# KiCad board XIAO ePaper Display Board EE03_V1.0.kicad_pcb (continued)
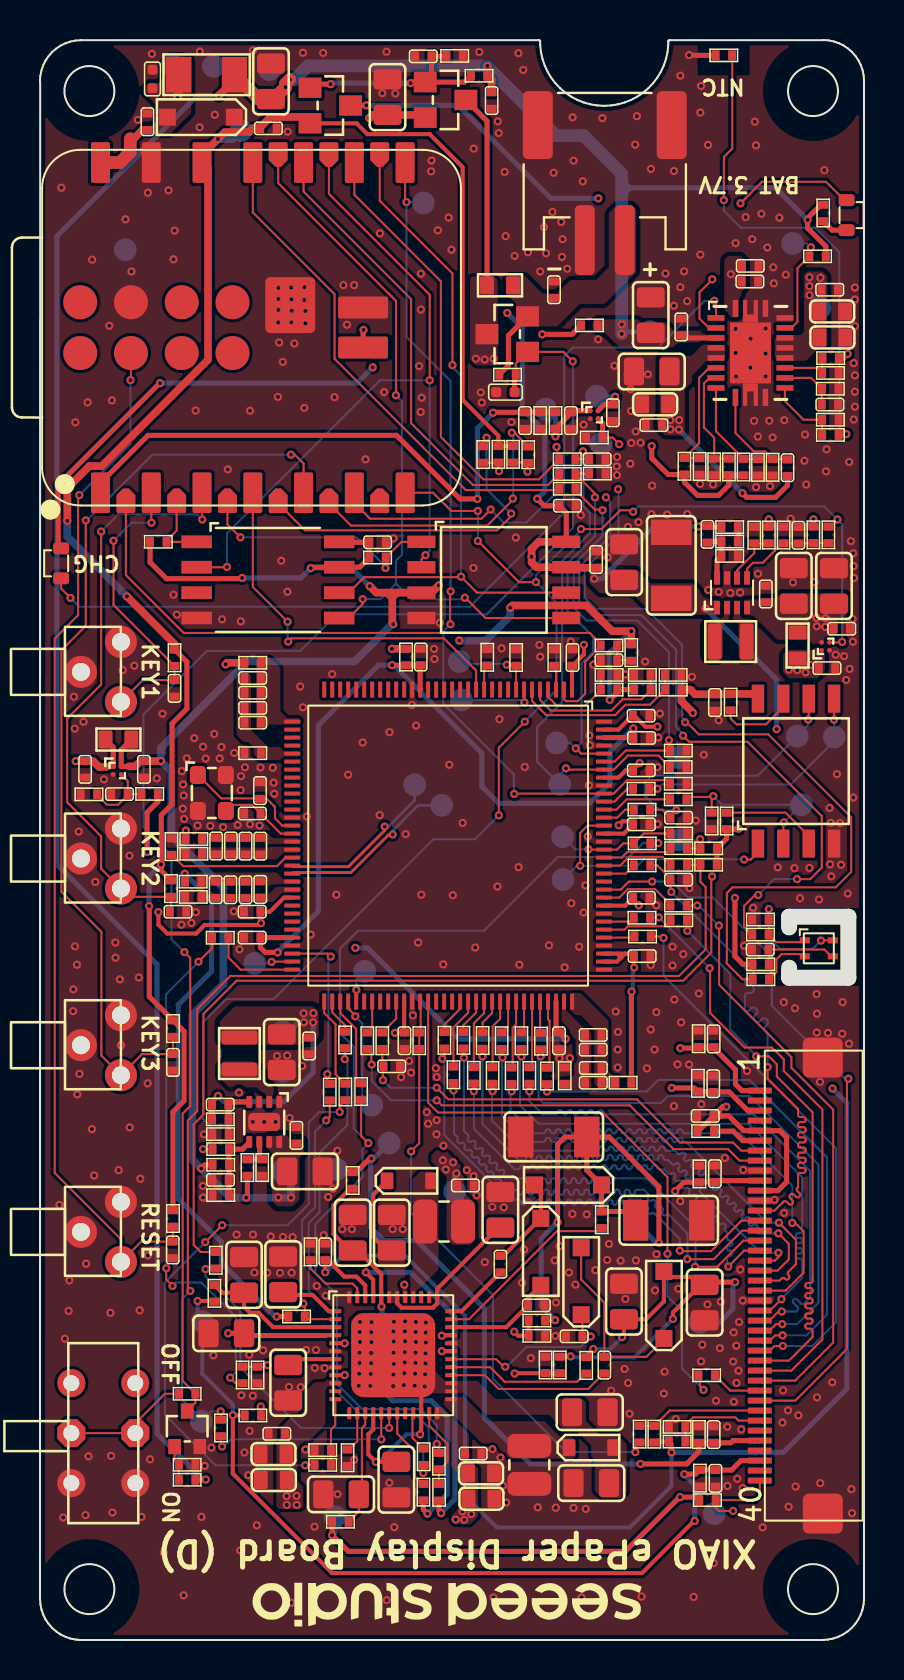
[diagram p0: board, top side]
## Library data of the parts (continued)
R8 = -: Description: SMD RES 22R-5%-1/16W;0402; Manufacturer: YAGEO; MPN: RC0402JR-0722RL; SKU: 301010002; Part Type: RES; Power Rating: 5%; Status: BeagleBone Carrier Board; Temperature: -55°C to 155°C; ki_fp_filters: Resistor:R0402
R11 R18 R19 R23 = -: Description: SMD RES 4.7K-5%-1/16W;0402; Manufacturer: YAGEO; MPN: RC0402JR-074K7L; SKU: 301010010; Part Type: RES; Power Rating: 5%; Status: BeagleBone Carrier Board; Temperature: -55°C to 155°C; ki_fp_filters: Resistor:R0402
R13 R14 R32 = -: Description: SMD RES 0R-5%-1/10W;0603; Manufacturer: YAGEO; MPN: RC0603JR-070RL; SKU: 301010292; Part Type: RES; Power Rating: 5%; Temperature: -55°C to 155°C; ki_fp_filters: Resistor:R0603
R15 R24 R25 R44 R50 R51 R53-R56 R63 R78 R80-R83 R136 R138 R141 = -: Description: SMD RES 100K-1%-1/16W;0402; Manufacturer: YAGEO; MPN: RC0402FR-07100KL; SKU: 301010456; Part Type: RES; Power Rating: 1%; Status: BeagleBone Carrier Board; Temperature: -55°C to 155°C; ki_fp_filters: Resistor:R0402
R16 R22 = -: Description: SMD RES 1K-5%-1/16W;0402; Manufacturer: YAGEO; MPN: RC0402JR-071KL; SKU: 301010006; Part Type: RES; Power Rating: 5%; Status: BeagleBone Carrier Board; Temperature: -55°C to 155°C; ki_fp_filters: Resistor:R0402
R20 = -: Description: SMD RES Thermistor NTC 10K-1%;0402; Manufacturer: Murata; SKU: 314110114; Resistance: 10K; Part Type: RES; Power Rating: 1%; Status: Frame 2 EVT; Temperature: -40°C to 125°C; ki_fp_filters: Resistor:R0402
R27 R34 R40 R43 R69 R137 R139 = -: Description: SMD RES 100K-5%-1/16W;0402; Manufacturer: YAGEO; MPN: RC0402JR-07100KL; SKU: 301010033; Part Type: RES; Power Rating: 5%; Status: BeagleBone Carrier Board; Temperature: -55°C to 155°C; ki_fp_filters: Resistor:R0402
R28-R31 R35-R39 R41 R71 R77 R100 R101 R106 R115 R124 R125 R127 R142-R149 R249 R255 = -: Description: SMD RES 10K-1%-1/16W;0402; Manufacturer: YAGEO; MPN: RC0402FR-0710KL; SKU: 301010047; Part Type: RES; Power Rating: 1%; Status: BeagleBone Carrier Board; Temperature: -55°C to 155°C; ki_fp_filters: Resistor:R0402
R33 = -: Description: SMD RES 80.6K-1%-1/10W;0402; Manufacturer: YAGEO; MPN: RC0402FR-0780K6L; SKU: 301010071; Part Type: RES; Power Rating: 1%; Status: ST; Temperature: -55°C to 155°C; ki_fp_filters: Resistor:R0402
R42 = -: Description: SMD RES 3.57K-1%-1/16W;0402; Manufacturer: YAGEO; MPN: RC0402FR-073K57L; SKU: 301013291; Part Type: RES; Power Rating: 1%; Status: BeagleBone AI TDA4VM; Temperature: -55°C to 155°C; ki_fp_filters: Resistor:R0402
R58 = -: Description: SMD RES 12K-1%-1/16W;0402; Manufacturer: YAGEO; MPN: RC0402FR-0712KL; SKU: 301010736; Part Type: RES; Power Rating: 1%; Status: BeagleBone Carrier Board; Temperature: -55°C to 155°C; ki_fp_filters: Resistor:R0402
R62 R117 R119 R129 = -: Description: SMD RES 1M-5%-1/16W;0402; Manufacturer: YAGEO; MPN: RC0402JR-071ML; SKU: 301010009; Part Type: RES; Power Rating: 5%; Status: reSpeaker; Temperature: -55°C to 155°C; ki_fp_filters: Resistor:R0402
R79 = -: Description: SMD RES 49.9R-1%-1/16W;0402; Manufacturer: YAGEO; MPN: RC0402FR-0749R9L; SKU: 301010041; Part Type: RES; Power Rating: 1%; Status: BeagleBone Carrier Board; Temperature: -55°C to 155°C; ki_fp_filters: Resistor:R0402
R84 = -: Description: SMD RES 36K-1%-1/16W;0402; Manufacturer: YAGEO; MPN: RC0402FR-0736KL; SKU: 301010053; Part Type: RES; Power Rating: 1%; Status: HA Proxy; Temperature: -55°C to 155°C; ki_fp_filters: Resistor:R0402
R112 = -: Description: SMD RES 43K-1%-1/16W;0402; Manufacturer: YAGEO; MPN: RC0402FR-0743KL; SKU: 301010023; Part Type: RES; Power Rating: 1%; Status: Geni; Temperature: -55°C to 155°C; ki_fp_filters: Resistor:R0402
R118 = -: Description: SMD RES 52.3K-1/16W-1%;0402; Manufacturer: YAGEO; MPN: RC0402FR-0752K3L; SKU: 301011070; Part Type: RES; Power Rating: 1%; Status: BeagleBone Carrier Board; Temperature: -55°C to 155°C; ki_fp_filters: Resistor:R0402
R120 = -: SKU: 301013074
R134 = -: Description: SMD RES 511K-1%-1/16W;0402; Manufacturer: YAGEO; MPN: RC0402FR-07511KL; SKU: 301011830; Part Type: RES; Power Rating: 1%; Status: Combox Pro; Temperature: -55°C to 155°C; ki_fp_filters: Resistor:R0402
R135 = -: Description: SMD RES 91K-1%-1/16W;0402; Manufacturer: YAGEO; MPN: RC0402FR-0791KL; SKU: 301012603; Part Type: RES; Power Rating: 1%; Status: AI-Link NB-IoT Dev Board; Temperature: -55°C to 155°C; ki_fp_filters: Resistor:R0402
R140 = -: Description: SMD RES 200K-1%-1/16W;0402; Manufacturer: YAGEO; MPN: RC0402FR-07200KL; SKU: 301010081; Part Type: RES; Power Rating: 1%; Status: Combox Pro; Temperature: -55°C to 155°C; ki_fp_filters: Resistor:R0402
SW1 = -: Description: DIP SideToggle Switch DPDT;6P-2.54-9.0*3.5*3.2mm-90D; Manufacturer: DeYiLong; SKU: 311030004; Part Type: Switch; ki_fp_filters: Switch:SW6-2CH-2.54-9X3.5X3.5
SW2-SW5 = -: Description: DIP Button Side;3P-4.5x4.5x5.5mm; Manufacturer: 百斯特; SKU: 311020863; Part Type: switch; Status: XIAO ePaper Monitor Kit; ki_fp_filters: Switch:SW3-DIP-SIDE-4.5X4.5X5.5MM
TP3 TP4 TP7 TP8 TP10-TP13 TP15-TP27 TP31 TP32 TP37-TP46 TP48 TP54-TP59 = -: Description: Test Point;TP45C_SMD; SKU: TP45C_SMD; ki_fp_filters: Misc:TP-D45MIL
U1 = -: Description: SMD IC Charger Power Path;1cell-Liner-Vsys-4A-Charge-3.5A; Manufacturer: 德州仪器（TI）; SKU: 310000051; Status: SMD; Temperature: -40~125°C; ki_fp_filters: Ic:RHL20_2P05X3P05
U3 = -: Description: PCBA; Seeed Studio XIAO ESP32S3 Plus; SKU: 202004052; ki_fp_filters: Module:MOUDLE23P-XIAO-HALF-HOLE
U5 U7 = -: Description: SMD IC Memory;32Mbit-3V;SOIC-8; Manufacturer: Zbit; SKU: 310091644; Part Type: Flash; Status: HA Voice Kit; Temperature: -40°C ~ +85°C; Priority: A; ki_fp_filters: Ic:SOIC8-1.27-5.3X5.3MM
U6 = -: Description: SMD IC Font library chip;SOP-8-208mil; Manufacturer: GENITOP; Part Type: IC; Status: XIAO ePaper Display Board EE03; Temperature: -40°C to 85°C; ki_fp_filters: Ic:SOP8-1.27-5.2X5.2x2.16MM
U8 = -: Description: SMD High Accuracy Temperature and Humidity Sensor IC;DFN-4; Manufacturer: SENSIRION; SKU: 314010719; Part Type: Sensor; Status: R2 E1001; Temperature: -40°C to 125°C; ki_fp_filters: Ic:SMD4-1.5X1.5X0.54MM
U10 = -: Description: SMD IC PMIC;VQFN-48-EP(6x6); Manufacturer: TI; SKU: 310000026; Part Type: IC; Status: XIAO ePaper Display Board EE03; Temperature: -10°C to 85°C; ki_fp_filters: Ic:VQFN48-0.4-6X6X1MM
U12 = -: Description: SMD IC EPD Timing Controller;LQFP 128(14*14); Manufacturer: ITE联阳半导体; SKU: 310000023; Part Type: IC; Status: XIAO ePaper Display Board EE03; Temperature: 0°C to 70°C; ki_fp_filters: Ic:LQFP128-0.4-14X14X1.6MM
U13 = -: Description: SMD IC PMIC BUCK/BOOST;2.1*1.6*0.6mm-SOT-583; Manufacturer: TI; SKU: 310032774; Temperature: -40°C to 150°C; ki_fp_filters: Ic:SOT-583
U14 = -: Description: SMD IC PMIC;DFN(2*2)-8; Manufacturer: ETA; SKU: 310030161; Part Type: DCDC; ki_fp_filters: Ic:DFN8G-0.5-2X2MM
U17-U19 = -: Description: SMD IC LOW RON LOAD SWITCH;5.5V-2A;4-DSBGA; Manufacturer: TI; SKU: 310031638; Part Type: IC; Status: Friend; Temperature: -40°C to 85°C; Priority: A; ki_fp_filters: Ic:WLCSP4-0.4-0.77X0.77X0.33MM
X2 = -: Description: SMD Crystal 12MHz-12pF-10ppm-150R;4P-L2.5*W2.0*H0.45mm; Manufacturer: TAITIEN; MPN: XYDBPCNANF-12MHZ; SKU: 306011189; Part Type: Crystal; Rating: 10ppm; Status: XIAO_RP2350; Temperature: -20°C to 70℃; ki_fp_filters: Crystal:X4-SMD-2.5X2.0MM

## Footprints (pads in the part's own frame, mm; a bottom-side part is the same pattern mirrored in y, then rotated)
C0402
  rrect 0.4x0.5 smd: 1(-0.413,0) 2(0.413,0)
C0603
  rrect 0.7x0.9 smd: 1(-0.65,0) 2(0.65,0)
C0603#2
  rrect 0.7x0.9 smd: 1(-0.65,0) 2(0.65,0)
C0805
  rrect 1.016x1.397 smd: 1(-0.889,0) 2(0.889,0)
C1206
  rect 1.27x2.032 smd: 1(-1.651,0) 2(1.651,0)
DFN8G-0.5-2X2MM
  rrect 0.3x0.6 smd: 1(-0.75,-1) 2(-0.25,-1) 3(0.25,-1) 4(0.75,-1) 5(0.75,1) 6(0.25,1) 7(-0.25,1) 8(-0.75,1)
  rrect 1.6x0.9 smd: 9(0,0)
ESD-0402
  rrect 0.5x0.5 smd: 1(-0.463,0) 2(0.463,0)
F1206
  rect 1.27x1.778 smd: 1(-1.397,0) 2(1.397,0)
FPC40_0D5_23_5X4_9X2MM
  rrect 0.3x1.2 smd: 1(9.75,0) 2(9.25,0) 3(8.75,0) 4(8.25,0) 5(7.75,0) 6(7.25,0) 7(6.75,0) 8(6.25,0) 9(5.75,0) 10(5.25,0) 11(4.75,0) 12(4.25,0) 13(3.75,0) 14(3.25,0) 15(2.75,0) 16(2.25,0) 17(1.75,0) 18(1.25,0) 19(0.75,0) 20(0.25,0) 21(-0.25,0) 22(-0.75,0) 23(-1.25,0) 24(-1.75,0) 25(-2.25,0) 26(-2.75,0) 27(-3.25,0) 28(-3.75,0) 29(-4.25,0) 30(-4.75,0) 31(-5.25,0) 32(-5.75,0) 33(-6.25,0) 34(-6.75,0) 35(-7.25,0) 36(-7.75,0) 37(-8.25,0) 38(-8.75,0) 39(-9.25,0) 40(-9.75,0)
  rrect 2x2 smd: 41(-11.4,-3.15) 42(11.4,-3.15)
JST2+2P_2.0_PH_S2B-PH-SM4-TB_1x02-1MP_Horizontal
  rrect 1x3.5 smd: 1(-1,2.85) 2(1,2.85)
  rrect 1.5x3.4 smd: 3(3.35,-2.9) 4(-3.35,-2.9)
L2016
  rrect 0.7x1.8 smd: 1(-0.8,0) 2(0.8,0)
L2520
  rrect 1.2x2.2 smd: 1(-0.95,0) 2(0.95,0)
LED2-0.6X1.7MM
  rrect 0.6x0.8 smd: 1(0.75,0) 2(-0.75,0)
LQFP128-0.4-14X14X1.6MM
  rrect 0.2x0.8 smd: 1(-6.2,-7.8) 2(-5.8,-7.8) 3(-5.4,-7.8) 4(-5,-7.8) 5(-4.6,-7.8) 6(-4.2,-7.8) 7(-3.8,-7.8) 8(-3.4,-7.8) 9(-3,-7.8) 10(-2.6,-7.8) 11(-2.2,-7.8) 12(-1.8,-7.8) 13(-1.4,-7.8) 14(-1,-7.8) 15(-0.6,-7.8) 16(-0.2,-7.8) 17(0.2,-7.8) 18(0.6,-7.8) 19(1,-7.8) 20(1.4,-7.8) 21(1.8,-7.8) 22(2.2,-7.8) 23(2.6,-7.8) 24(3,-7.8) 25(3.4,-7.8) 26(3.8,-7.8) 27(4.2,-7.8) 28(4.6,-7.8) 29(5,-7.8) 30(5.4,-7.8) 31(5.8,-7.8) 32(6.2,-7.8) 65(6.2,7.8) 66(5.8,7.8) 67(5.4,7.8) 68(5,7.8) 69(4.6,7.8) 70(4.2,7.8) 71(3.8,7.8) 72(3.4,7.8) 73(3,7.8) 74(2.6,7.8) 75(2.2,7.8) 76(1.8,7.8) 77(1.4,7.8) 78(1,7.8) 79(0.6,7.8) 80(0.2,7.8) 81(-0.2,7.8) 82(-0.6,7.8) 83(-1,7.8) 84(-1.4,7.8) 85(-1.8,7.8) 86(-2.2,7.8) 87(-2.6,7.8) 88(-3,7.8) 89(-3.4,7.8) 90(-3.8,7.8) 91(-4.2,7.8) 92(-4.6,7.8) 93(-5,7.8) 94(-5.4,7.8) 95(-5.8,7.8) 96(-6.2,7.8)
  rrect 0.8x0.2 smd: 33(7.8,-6.2) 34(7.8,-5.8) 35(7.8,-5.4) 36(7.8,-5) 37(7.8,-4.6) 38(7.8,-4.2) 39(7.8,-3.8) 40(7.8,-3.4) 41(7.8,-3) 42(7.8,-2.6) 43(7.8,-2.2) 44(7.8,-1.8) 45(7.8,-1.4) 46(7.8,-1) 47(7.8,-0.6) 48(7.8,-0.2) 49(7.8,0.2) 50(7.8,0.6) 51(7.8,1) 52(7.8,1.4) 53(7.8,1.8) 54(7.8,2.2) 55(7.8,2.6) 56(7.8,3) 57(7.8,3.4) 58(7.8,3.8) 59(7.8,4.2) 60(7.8,4.6) 61(7.8,5) 62(7.8,5.4) 63(7.8,5.8) 64(7.8,6.2) 97(-7.8,6.2) 98(-7.8,5.8) 99(-7.8,5.4) 100(-7.8,5) 101(-7.8,4.6) 102(-7.8,4.2) 103(-7.8,3.8) 104(-7.8,3.4) 105(-7.8,3) 106(-7.8,2.6) 107(-7.8,2.2) 108(-7.8,1.8) 109(-7.8,1.4) 110(-7.8,1) 111(-7.8,0.6) 112(-7.8,0.2) 113(-7.8,-0.2) 114(-7.8,-0.6) 115(-7.8,-1) 116(-7.8,-1.4) 117(-7.8,-1.8) 118(-7.8,-2.2) 119(-7.8,-2.6) 120(-7.8,-3) 121(-7.8,-3.4) 122(-7.8,-3.8) 123(-7.8,-4.2) 124(-7.8,-4.6) 125(-7.8,-5) 126(-7.8,-5.4) 127(-7.8,-5.8) 128(-7.8,-6.2)
R0402
  rrect 0.4x0.5 smd: 1(-0.413,0) 2(0.413,0)
R0603
  rrect 0.7x0.9 smd: 1(-0.65,0) 2(0.65,0)
RHL20_2P05X3P05
  rect 0.28x0.85 smd: 1(-0.75,2.225) 10(-0.75,-2.225) 11(0.75,-2.225) 20(0.75,2.225)
  rect 0.85x0.28 smd: 2(-1.725,1.75) 3(-1.725,1.25) 4(-1.725,0.75) 5(-1.725,0.25) 6(-1.725,-0.25) 7(-1.725,-0.75) 8(-1.725,-1.25) 9(-1.725,-1.75) 12(1.725,-1.75) 13(1.725,-1.25) 14(1.725,-0.75) 15(1.725,-0.25) 16(1.725,0.25) 17(1.725,0.75) 18(1.725,1.25) 19(1.725,1.75)
  rect 2.05x3.05 smd: 21(0,0)
SMD4-1.5X1.5X0.54MM
  rect 0.5x0.3 smd: 1(-0.7,0.4) 2(-0.7,-0.4) 3(0.7,-0.4) 4(0.7,0.4)
SOD-123
  rect 0.85x0.85 smd: 1(1.675,0) 2(-1.675,0)
SOD-323
  rrect 0.63x0.83 smd: 1(1.115,0) 2(-1.115,0)
SOIC8-1.27-5.3X5.3MM
  rect 0.62x1.4 smd: 1(-1.905,-3.623) 2(-0.635,-3.623) 3(0.635,-3.623) 4(1.905,-3.623) 5(1.905,3.623) 6(0.635,3.623) 7(-0.635,3.623) 8(-1.905,3.623)
SOP8-1.27-5.2X5.2x2.16MM
  rect 0.635x1.524 smd: 1(-1.905,-3.567) 2(-0.635,-3.567) 3(0.635,-3.567) 4(1.905,-3.567) 5(1.905,3.567) 6(0.635,3.567) 7(-0.635,3.567) 8(-1.905,3.567)
SOT23
  rect 1.143x1.016 smd: 1(1.016,-0.889) 2(1.016,0.889) 3(-1.016,0)
SOT-323
  rect 0.762x0.635 smd: 1(0.889,-0.635) 2(0.889,0.635) 3(-0.889,0)
SOT-583
  rect 0.3x0.67 smd: 1(-0.75,-0.74) 2(-0.25,-0.74) 3(0.25,-0.74) 4(0.75,-0.74) 5(0.75,0.74) 6(0.25,0.74) 7(-0.25,0.74) 8(-0.75,0.74)
SW3-DIP-SIDE-4.5X4.5X5.5MM
  round 1.6 hole 0.9: 1(-1.5,0) 2(1.5,0) 3(0,-2)
SW6-2CH-2.54-9X3.5X3.5
  round 1.4 hole 0.8: CH1A(-1.6,2.5) CH1B(-1.6,-2.5) CH2A(1.6,2.5) CH2B(1.6,-2.5)
  rrect 1.4x1.4 hole 0.8: COM1(-1.6,0) COM2(1.6,0)
TP-D45MIL
  rrect 1.143x1.143 smd: 1(0,0)
VQFN48-0.4-6X6X1MM
  rrect 0.6x0.2 smd: 1(-2.9,2.2) 2(-2.9,1.8) 3(-2.9,1.4) 4(-2.9,1) 5(-2.9,0.6) 6(-2.9,0.2) 7(-2.9,-0.2) 8(-2.9,-0.6) 9(-2.9,-1) 10(-2.9,-1.4) 11(-2.9,-1.8) 12(-2.9,-2.2) 25(2.9,-2.2) 26(2.9,-1.8) 27(2.9,-1.4) 28(2.9,-1) 29(2.9,-0.6) 30(2.9,-0.2) 31(2.9,0.2) 32(2.9,0.6) 33(2.9,1) 34(2.9,1.4) 35(2.9,1.8) 36(2.9,2.2)
  rrect 0.2x0.6 smd: 13(-2.2,-2.9) 14(-1.8,-2.9) 15(-1.4,-2.9) 16(-1,-2.9) 17(-0.6,-2.9) 18(-0.2,-2.9) 19(0.2,-2.9) 20(0.6,-2.9) 21(1,-2.9) 22(1.4,-2.9) 23(1.8,-2.9) 24(2.2,-2.9) 37(2.2,2.9) 38(1.8,2.9) 39(1.4,2.9) 40(1,2.9) 41(0.6,2.9) 42(0.2,2.9) 43(-0.2,2.9) 44(-0.6,2.9) 45(-1,2.9) 46(-1.4,2.9) 47(-1.8,2.9) 48(-2.2,2.9)
  rrect 4.2x4.2 smd: 49(0,0)
WLCSP4-0.4-0.77X0.77X0.33MM
  round 0.24 smd: A1(-0.2,0.2) A2(0.2,0.2) B1(-0.2,-0.2) B2(0.2,-0.2)
X4-SMD-2.5X2.0MM
  rrect 0.9x0.8 smd: 1(-0.9,-0.7) 2(0.9,-0.7) 3(0.9,0.7) 4(-0.9,0.7)
XIAO-ESP32-S3-Plus-SMD
  rrect 0.95x2.032 smd: 1(7.62,8.255) 2(5.08,8.255) 3(2.54,8.255) 4(0,8.255) 5(-2.54,8.255) 6(-5.08,8.255) 7(-7.62,8.255) 8(-7.62,-8.255) 9(-5.08,-8.255) 10(-2.54,-8.255) 11(0,-8.255) 12(2.54,-8.255) 13(5.08,-8.255) 14(7.62,-8.255)
  rrect 0.95x1.232 smd: 15(6.35,8.655) 16(3.81,8.655) 17(1.27,8.655) 18(-1.27,8.655) 19(-3.81,8.655) 20(-6.35,8.655) 21(-6.35,-8.655) 22(-3.81,-8.655) 23(-1.27,-8.655)
  round 1.7 smd: 24(8.636,1.27) 25(8.636,-1.27) 26(6.096,1.27) 27(6.096,-1.27) 28(3.556,1.27) 29(3.556,-1.27) 30(1.016,1.27) 31(1.016,-1.27)
  rrect 2.5x1.1 smd: 32(-5.518,0.994) 33(-5.518,-1.006)
  rrect 2.5x2.8 smd: 34(-1.875,-1.125)

## Nets
/E-ink/VDDH_FB: R119.2 R120.2 U10.33
/E-ink/VEE_FB: R117.2 R118.1 U10.31
GND: C1.1 C4.2 C5.1 C6.1 C7.1 C8.1 C9.2 C14.2 C18.2 C19.2 C23.2 C24.1 C25.2 C26.2 C27.1 C28.2 C29.2 C30.1 C31.1 C34.2 C35.2 C36.2 C37.2 C38.2 C39.2 C40.2 C41.2 C42.2 C43.1 C48.2 C49.2 C50.2 C52.2 C53.2 C54.2 C55.2 C56.2 C57.2 C58.2 C59.2 C61.2 C62.2 C63.2 C64.2 C69.2 C70.2 C71.2 C72.2 C73.2 C74.2 C75.2 C76.2 C77.2 C78.2 C81.1 C84.2 C85.2 C90.2 C91.2 C98.2 C100.1 C103.2 C104.2 C112.2 C113.2 C114.1 C115.2 C116.2 C117.2 C118.1 C119.2 C120.2 C121.2 C122.1 C123.2 C124.2 C125.2 C128.2 C129.2 C131.1 C132.2 C133.2 C134.2 C135.2 C136.2 C137.1 C138.1 C139.2 C140.1 C143.1 C144.2 C145.2 C146.1 C147.2 C149.1 C190.2 D7.2 D8.1 D9.1 J1.9 J1.12 J1.22 J1.41 J1.42 J3.2 J3.3 J3.4 L5.2 Q4.2 R1.1 R3.1 R4.1 R5.1 R15.1 R20.1 R26.1 R27.1 R29.1 R33.1 R34.1 R40.1 R42.1 R43.1 R44.1 R51.2 R54.2 R56.2 R58.1 R63.1 R71.2 R74.1 R76.1 R77.2 R78.1 R80.2 R81.2 R82.2 R83.2 R84.1 R98.1 R102.1 R111.1 R112.2 R115.2 R118.2 R120.1 R122.2 R124.1 R129.2 R135.2 R136.2 R138.1 R141.1 R142.1 R144.1 R147.1 R153.1 R255.2 SW1.CH1B SW1.CH2B SW2.1 SW2.3 SW3.1 SW3.3 SW4.1 SW4.3 SW5.1 SW5.3 TP4.1 TP8.1 TP13.1 TP16.1 TP17.1 TP41.1 U1.11 U1.19 U1.20 U1.21 U3.13 U3.27 U3.33 U3.34 U5.4 U6.4 U7.4 U10.6 U10.8 U10.32 U10.41 U10.48 U12.21 U12.45 U12.61 U12.76 U12.97 U12.100 U12.104 U12.113 U12.120 U12.125 U12.128 U13.7 U14.1 U14.3 U14.9 U17.B1 U18.B1 U19.B1 X2.2 X2.4
GND18A: C2.2 C3.2 C127.2 C130.1 R76.2 U12.95
GND33A_HSRT: C13.2 C15.2 C16.1 C142.2 R98.2 U12.49
GND33A_U20: C17.2 C20.2 C22.1 C148.2 R102.2 U12.54
GNDAT: C10.2 C11.2 C12.1 C126.2 R74.2 U12.37
VBAT: C35.1 C36.1 C37.1 C48.1 C67.1 Q3.3 Q5.3 R32.1 TP3.1 U1.5 U1.6 U17.A2
VCC3IO: C116.1 C121.1 C125.1 C129.1 R72.2 U12.20 U12.60 U12.94 U12.126
VCC18A: C2.1 C3.1 C127.1 C130.2 R75.2 U12.96
VCC33A: C10.1 C11.1 C12.2 C126.1 R73.2 U12.33
VCC33A_HSRT: C13.1 C15.1 C16.2 C142.1 R97.2 U12.48
VCC33A_U20: C17.1 C20.1 C22.2 C148.1 R99.2 U12.53
VCC_3V3: C26.1 C28.1 C29.1 C50.1 C63.1 C72.1 C75.1 C76.1 C105.1 Q7.3 R14.1 R25.2 R31.2 R39.2 R79.2 R137.2 R152.1 TP55.1 U5.3 U5.7 U5.8 U6.7 U6.8 U13.1 U14.7 U14.8 U19.A2
VCC_ITE_3V3: C70.1 C73.1 R14.2 R18.2 R19.2 R41.2 R50.1 R53.1 R55.1 R72.1 R73.1 R97.1 R99.1 R100.2 R101.2 R106.2 R125.2 U7.8 U10.45 U19.A1
/E-ink/BORDER: J1.40 R60.2 TP31.1
/E-ink/PWRGOOD: R41.1 R132.2 U10.23
/E-ink/PWRUP: R110.2 U10.21
/E-ink/S_XOE: J1.33 R126.2 R127.1
/E-ink/S_XSTL: J1.31 R59.2
/E-ink/TEST: J1.34 R121.2 R122.1
/E-ink/VB_OUT: C137.2 C143.2 D10.2 U10.37 U10.42 U10.43
/E-ink/VB_SW: D10.1 L3.1 U10.40
/E-ink/VCOM_CTRL: R108.2 R129.1 U10.12
/E-ink/VN_OUT: C133.1 C134.1 C138.2 C140.2 D2.1 U10.4 U10.16 U10.22 U10.26 U10.27 U10.49
/E-ink/VNEG_OUT: C123.1 R104.2 U10.3
/E-ink/VPOS_OUT: C147.1 R109.1 R116.1 U10.44
/E-ink/WAKEUP: R63.2 R105.2 U10.5
/TCON-IT8951/ALERT: R57.1 R124.2 TP48.1 U12.112
/TCON-IT8951/CFG0: R50.2 R51.1 U12.4
/TCON-IT8951/CFG1: R53.2 R54.1 U12.5
/TCON-IT8951/CFG2: R55.2 R56.1 U12.6
/TCON-IT8951/HOLD#: R101.1 U7.7
/TCON-IT8951/ITE_HOST_HD_C: R255.1 U12.12
/TCON-IT8951/ITE_RX: R77.1 TP54.1 U12.8
/TCON-IT8951/ITE_TX: TP56.1 U12.7
/TCON-IT8951/SDDO0_OUT: R87.1 U12.82
/TCON-IT8951/SDDO1_OUT: R86.1 U12.83
/TCON-IT8951/SDDO2_OUT: R85.1 U12.84
/TCON-IT8951/SDDO3_OUT: R68.1 U12.85
/TCON-IT8951/SDDO4_OUT: R67.1 U12.86
/TCON-IT8951/SDDO5_OUT: R66.1 U12.87
/TCON-IT8951/SDDO6_OUT: R65.1 U12.88
/TCON-IT8951/SDDO7_OUT: R64.1 U12.89
/TCON-IT8951/SDDO8_OUT: R61.1 U12.90
/TCON-IT8951/SDDO9_OUT: R52.1 U12.91
/TCON-IT8951/SDDO10_OUT: R49.1 U12.92
/TCON-IT8951/SDDO11_OUT: R48.1 U12.93
/TCON-IT8951/SDDO12_OUT: R90.1 U12.101
/TCON-IT8951/SDDO13_OUT: R89.1 U12.102
/TCON-IT8951/SDDO14_OUT: R88.1 U12.103
/TCON-IT8951/SDDO15_OUT: R114.1 U12.106
/TCON-IT8951/SPI_CS: TP37.1 U7.1 U12.115
/TCON-IT8951/SPI_SCK: C7.2 R95.2 TP40.1 U7.6
/TCON-IT8951/SPI_SI: R94.2 R115.1 TP38.1 U7.2
/TCON-IT8951/SPI_SO: R93.2 TP39.1 U7.5
/TCON-IT8951/TEST_EN: R71.1 U12.3
/TCON-IT8951/USB_N: TP19.1 U12.51
/TCON-IT8951/USB_P: TP25.1 U12.52
/TCON-IT8951/WP#: R100.1 U7.3
/TCON-IT8951/XSCI: C118.2 U12.46 X2.1
/TCON-IT8951/XSCO: C131.2 U12.47 X2.3
/XIAO/BUTON1: C54.1 R36.1 SW3.2 U3.2
/XIAO/BUTON2: C55.1 R37.1 SW4.2 U3.3
/XIAO/BUTON3: C56.1 R38.1 SW5.2 U3.5
/XIAO/IO41/I2C_SCL: R11.1 R17.1 R155.2
/XIAO/IO42/I2C_SDA: R12.1 R23.1 R154.2
/XIAO/PWR_SW: C41.1 Q5.1 Q7.1 R43.2 R145.1
/XIAO/RST: C53.1 R35.1 SW2.2 U3.26
/XIAO/SPI1_CLK: U3.21 U5.6 U6.6
/XIAO/SPI1_CS0: R39.1 U3.16 U6.1
/XIAO/SPI1_CS1: R31.1 U3.17 U5.1
/XIAO/SPI1_MISO: U3.22 U5.2 U6.2
/XIAO/SPI1_MOSI: U3.23 U5.5 U6.5
ADC_EN: R27.2 U3.6 U17.B2
BAT_ADC: C62.1 R28.1 R29.2 U3.1
EDP_BUSY: U3.4 U12.13
EDP_Drive: C18.1 C64.1 C81.2 C84.1 C100.2 C114.2 C117.1 C122.2 L3.2 R13.2 TP22.1 U10.10 U10.24 U18.A1
EDP_RES: R2.2 U3.15 U12.2
EPD_3V3: C19.1 C139.1 J1.5 J1.11 R121.1 R127.2 R249.2 U10.46
ESP_3V3: C59.1 Q7.2 R11.2 R23.2 R35.2 R36.2 R37.2 R38.2 TP10.1 U3.12
GDCLK: C6.2 J1.7 R91.2
GDSPV: J1.8 R92.2
ITE_I2C_SCL: R19.1 R46.2 R156.1 TP42.1
ITE_I2C_SDA: R18.1 R45.2 R157.1 TP43.1
PWR0_INT: R106.1 R131.1 U10.2
PWR2_WAKEUP: R105.1 R133.1
PWR3_PWRCOM: R96.2 R108.1
PWR4_PWRUP: R110.1 R123.2
PWR5_GOOD: R57.2 R132.1 R150.2
PWR_EN: R158.1 R159.2 U3.7 U18.B2
SDCE_N0: R59.1 U12.78
SDCLK: C5.2 J1.13 R47.2
SDDO0: J1.14 R87.2
SDDO1: J1.15 R86.2
SDDO2: J1.16 R85.2
SDDO3: J1.17 R68.2
SDDO4: J1.18 R67.2
SDDO5: J1.19 R66.2
SDDO6: J1.20 R65.2
SDDO7: J1.21 R64.2
SDDO8: J1.23 R61.2
SDDO9: J1.24 R52.2
SDDO10: J1.25 R49.2
SDDO11: J1.26 R48.2
SDDO12: J1.27 R90.2
SDDO13: J1.28 R89.2
SDDO14: J1.29 R88.2
SDDO15: J1.30 R114.2
SDLE: J1.32 U12.107
SDOE: R126.1 R128.1 R128.2 U12.77
SPI0_CLK: C8.2 R10.2 R81.1 TP44.1 U12.122
SPI0_CS: R80.1 TP45.1 U3.8 U12.119
SPI0_MISO: R9.2 R83.1 TP58.1 U12.124
SPI0_MOSI: R7.2 R82.1 TP59.1 U12.123
TYPEC_5V: C24.2 C42.1 C71.1 C74.1 F1.2 R16.1 R30.2 R139.2 R143.1 R145.2 R146.1 R148.2 R149.2 TP26.1 U1.4
VCOM_OUT: C98.1 J1.10 R44.2 R60.1 R103.1 TP32.1
VD_1V8: C34.1 C77.1 C108.1 C112.1 C113.1 C115.1 C120.1 C124.1 C128.1 C132.1 C190.1 L7.2 R70.2 R75.1 R140.2 TP46.1 U12.1 U12.55 U12.75 U12.98 U12.99 U12.105 U12.114 U12.121 U12.127
VDNG: C90.1 C146.2 C149.2 D1.1 J1.1 R5.2 R117.1 R130.1 TP23.1
VDNS_OUT: C103.1 J1.38 R3.2 R104.1 R107.1 TP20.1
VDPG: C14.1 C23.1 C91.1 D4.2 J1.3 R1.2 R113.2 R119.1 TP24.1
VDPS_OUT: C104.1 J1.36 R4.2 R116.2 TP21.1
VREF: C30.2 C31.2 R22.1 U1.1
VSYS: C4.1 C9.1 C25.1 C40.1 C52.1 C57.1 C61.1 R13.1 R24.2 R69.2 TP27.1 U1.15 U1.16 U1.17 U13.4 U18.A2
Net-(C1-Pad2): C1.2 R2.1 R125.1
Net-(C21-Pad2): C21.2 D1.2 D6.1
Net-(C141-Pad2): C141.2 D3.2 D4.1
Net-(D5-+): D5.1 R148.1
Net-(D5--): D5.2 U1.3
Net-(D16-+): D16.1 R149.1
Net-(D16--): D16.2 U1.2
Net-(J1-Pad6): J1.6 R249.1
Net-(Q3-G): D9.2 Q3.1 Q4.3 R8.2 R62.2
Net-(Q3-S): C39.1 J3.1 Q3.2 R32.2 R62.1
Net-(Q4-G): Q4.1 R16.2 R40.2
Net-(Q5-S): C69.1 Q5.2 U3.32
Net-(R8-Pad1): R8.1 SW1.COM1 SW1.COM2
Net-(R20-Pad2): R20.2 R21.1
Net-(R134-Pad2): R79.1 R134.2
Net-(TP7-T): C58.1 D7.1 D8.2 F1.1 TP7.1 U3.14
Net-(TP11-T): TP11.1 U12.69
Net-(TP12-T): TP12.1 U12.68
Net-(TP15-T): C49.1 R28.2 TP15.1 U17.A1
Net-(TP18-T): R30.1 TP18.1 U1.18
Net-(TP57-T): TP57.1 U12.63
Net-(U1A-CE): R146.2 R147.2 U1.9
Net-(U1A-DPPM): C78.1 R84.2 U1.13
Net-(U1A-ISET1): C67.2 R42.2 U1.10
Net-(U1A-ISET2): R139.1 R142.2 U1.7
Net-(U1A-MODE): R143.2 R144.2 U1.8
Net-(U1A-TMR): R22.2 R33.2 U1.14
Net-(U1A-TS): R21.2 R26.2 U1.12
Net-(U3-GPIO7_D8/A8/SCK): R10.1 U3.9
Net-(U3-GPIO8_D9/A9/MISO): R9.1 U3.10
Net-(U3-GPIO9_D10/A10/MOSI): R7.1 U3.11
Net-(U3-GPIO41_PDM_DATA/RX1): R17.2 U3.18
Net-(U3-GPIO42_PDM_CLK/TX1): R12.2 U3.19
Net-(U8-SCL): R155.1 U8.2
Net-(U8-SDA): R154.1 U8.1
Net-(U8-VDD): C85.1 R152.2 U8.3
Net-(U8-VSS): R153.2 U8.4
Net-(U10-INT_LDO): C136.1 U10.7
Net-(U10-SCL): R156.2 U10.17
Net-(U10-SDA): R157.2 U10.18
Net-(U10-TS): R112.1 U10.47
Net-(U10-VCOM): C119.1 R103.2 U10.15
Net-(U10-VCOM_DIS): R111.2 U10.14
Net-(U10-VDDH_D): C144.1 D3.1 U10.34
Net-(U10-VDDH_DIS): R113.1 U10.35
Net-(U10-VDDH_DRV): C141.1 U10.36
Net-(U10-VEE_D): C145.1 D6.2 U10.30
Net-(U10-VEE_DIS): R130.2 U10.29
Net-(U10-VEE_DRV): C21.1 U10.28
Net-(U10-VN_SW): D2.2 L5.1 U10.25
Net-(U10-VNEG_DIS): R107.2 U10.9
Net-(U10-VPOS_DIS): R109.2 U10.19
Net-(U10-VREF): C135.1 U10.1
Net-(U12-GDCLK): R91.1 U12.74
Net-(U12-GDSPV): R92.1 U12.71
Net-(U12-GPIO8/PWR0): R131.2 U12.62
Net-(U12-GPIO10/PWR2): R133.2 U12.64
Net-(U12-GPIO11/PWR3): R96.1 U12.65
Net-(U12-GPIO12/PWR4): R123.1 U12.66
Net-(U12-GPIO13/PWR5): R150.1 U12.67
Net-(U12-I2C_SCL): R46.1 U12.110
Net-(U12-I2C_SDA): R45.1 U12.111
Net-(U12-RREF): R58.2 U12.50
Net-(U12-SDCLK): R47.1 U12.109
Net-(U12-SPI_MISO): R93.1 U12.118
Net-(U12-SPI_MOSI): R94.1 U12.117
Net-(U12-SPI_SCK): R95.1 U12.116
Net-(U13-EN): C43.2 R15.2 R24.1 R158.2 U13.5
Net-(U13-FB): C105.2 R134.1 R135.1 U13.8
Net-(U13-LX1): L6.1 U13.3
Net-(U13-LX2): L6.2 U13.2
Net-(U13-MODE): R69.1 R78.2 U13.6
Net-(U14-EN): C27.2 R25.1 R136.1 R159.1 U14.5
Net-(U14-FB): C108.2 R140.1 R141.2 U14.4
Net-(U14-MODE): R137.1 R138.2 U14.6
Net-(U14-SW): L7.1 U14.2
Net-(U19-EN): C38.1 R34.2 R70.1 U19.B2

Pads without a net: J1 2 4 35 37 39; SW1 CH1A CH2A; U3 20 24 25 28 29 30 31; U6 3; U10 11 13 20 38 39; U12 9 10 11 14 15 16 17 18 19 22 23 24 25 26 27 28 29 30 31 32 34 35 36 38 39 40 41 42 43 44 56 57 58 59 70 72 73 79 80 81 108

## Via types
v1: diameter 0.406, hole 0.203, Top to Bottom, 873 vias

## Routing (per net, layer and track width the routed paths; a pad name or vN(x,y) marks a point on that pad's centre or on a via; arc(x,y) is an arc through that point)
/E-ink/VDDH_FB: length 5.8
  Top w0.203: v1(20.11,15.21) 20.13,15.24 U10.33 ; R120.2 R119.2 ; R120.2 24.42,15.24 ; R120.2 23.93,15.21 v1(23.73,15.41)
  In2.Cu w0.254: v1(23.73,15.41) 23.53,15.21 v1(20.11,15.21)
/E-ink/VEE_FB: length 7.2
  Top w0.203: R117.2 R118.1 23.76,13.34 v1(23.75,13.32) ; v1(20.11,14.44) 20.11,14.44 U10.31
  In2.Cu w0.254: v1(23.75,13.32) 23.75,13.99 23.3,14.44 v1(20.11,14.44)
GND: length 1.3
  Top w0.254: R20.1 32.49,79.23 v1(32.48,79.24)
  vias: v1(0.97,21.75) v1(1.07,72.61) v1(1.16,6.12) v1(1.25,15.06) v1(1.47,17.98) v1(1.43,16.45) v1(1.7,47.16) v1(1.67,32.53) v1(1.66,31.44) v1(1.77,60.88) v1(1.74,45.56) v1(1.75,34.68) v1(1.85,33.76) v1(1.87,27.28) v1(1.94,40.42) v1(1.98,28.3) v1(2.18,45.91) v1(2.28,6.24) v1(2.39,61.88) v1(2.31,18.81) v1(2.43,9.18) v1(2.6,25.54) v1(2.61,69.01) v1(2.71,23.22) v1(2.77,37.9) v1(3.2,43.03) v1(3.47,65.71) v1(3.6,61.98) v1(3.53,16.36) v1(3.56,9.2) v1(3.63,6.37) v1(3.77,34.87) v1(3.78,34.11) v1(4,33.03) v1(3.94,23.49) v1(4.05,29.74) v1(4.14,48.49) v1(4.28,71.03) v1(4.48,39.21) v1(4.49,25.63) v1(4.58,68.42) v1(4.72,48.71) v1(4.9,76) v1(4.95,33.12) v1(4.99,16.48) v1(5.02,23.06) v1(5.08,6.15) v1(5.4,72.36) v1(5.39,27.83) v1(5.4,19.23) v1(5.51,9.03) v1(5.6,79.3) v1(5.85,43.08) v1(6.13,46.31) v1(6.2,4.36) v1(6.43,72.48) v1(6.68,69.03) v1(6.68,52.26) v1(6.74,70.47) v1(6.85,51.26) v1(7.1,43.44) v1(7.08,35.76) v1(7.16,42.78) v1(7.19,42.22) v1(7.15,41.56) v1(7.21,41.05) v1(7.19,2.23) v1(7.35,44.08) v1(7.58,35.85) v1(7.79,61.47) v1(7.72,45.09) v1(7.8,36.39) v1(7.89,40.72) v1(8,79.42) v1(7.99,75.63) v1(8.08,6.15) v1(8.16,44.66) v1(8.21,25.28) v1(8.16,22.7) v1(8.16,22.12) v1(8.29,44.07) v1(8.24,8.7) v1(8.52,40.7) v1(8.58,9.61) v1(8.68,14.23) v1(8.75,76.26) v1(8.72,45.3) v1(8.99,44.08) v1(9.08,44.65) v1(9.11,51.03) v1(9.16,40.64) v1(9.4,58.53) v1(9.7,36.43) v1(9.72,44.35) v1(9.89,40.75) v1(9.84,20.27) v1(9.98,34.53) v1(9.96,27.37) v1(10.05,50.93) v1(10.06,43.19) v1(10.04,42.49) v1(10.08,12.23) v1(10.02,4.47) v1(10.26,43.63) v1(10.23,9.37) v1(10.51,61.46) v1(10.51,40.79) v1(10.47,14.26) v1(10.49,10.45) v1(10.42,8.24) v1(10.66,79.48) v1(10.65,25.9) v1(10.66,20.27) v1(10.65,12.21) v1(10.73,18.37) v1(10.85,5.73) v1(10.99,40.72) v1(11.03,43.62) v1(11.16,14.48) v1(11.22,25.9) v1(11.37,18.36) v1(11.55,20.17) v1(11.65,43.61) v1(11.69,42.86) v1(11.72,42.31) v1(11.79,25.9) v1(11.91,62.15) v1(11.86,29.2) v1(11.93,67.6) v1(11.93,67.05) v1(11.93,66.5) v1(11.92,65.88) v1(11.97,64.87) v1(12.01,18.35) v1(12.07,53.96) v1(12.15,63.9) v1(12.16,20.15) v1(12.4,75.41) v1(12.38,52.41) v1(12.37,29.22) v1(12.49,26.1) v1(12.46,12.65) v1(12.57,67.62) v1(12.59,67.03) v1(12.6,66.46) v1(12.58,65.88) v1(12.59,18.36) v1(12.57,1.86) v1(12.64,20.14) v1(12.73,64.82) v1(13.02,47.67) v1(13.04,12.64) v1(13.16,79.36) v1(13.16,46.63) v1(13.12,28.7) v1(13.23,67.64) v1(13.22,67) v1(13.28,66.45) v1(13.28,65.83) v1(13.23,61.6) v1(13.28,9.52) v1(13.36,41.17) v1(13.32,14.5) v1(13.55,35.27) v1(13.75,13.61) v1(13.74,5.66) v1(13.85,17.7) v1(13.81,14.5) v1(14.17,79.35) v1(14.2,20.24) v1(14.29,17.21) v1(14.24,13.59) v1(14.42,22.15) v1(14.62,48.29) v1(14.66,22.57) v1(14.74,62.14) v1(14.83,37.26) v1(14.88,24.46) v1(14.89,7.29) v1(15.18,67.74) v1(15.12,20.54) v1(15.36,65.76) v1(15.42,43.26) v1(15.61,20.54) v1(15.72,67.74) v1(15.72,9.01) v1(16.15,44.87) v1(16.29,59.03) v1(17.01,70.33) v1(17,41.24) v1(17.13,77.34) v1(17.22,62.39) v1(17.34,79.41) v1(17.35,1.99) v1(17.49,45.39) v1(17.48,7.86) v1(17.69,55.08) v1(17.65,20.54) v1(17.78,77.32) v1(17.73,5.64) v1(18.07,28.14) v1(18.15,20.54) v1(18.3,40.29) v1(18.23,17.76) v1(18.47,28.95) v1(18.57,28.37) v1(18.61,46.75) v1(18.66,31.23) v1(18.82,45.72) v1(18.97,63.69) v1(18.92,34.87) v1(19.06,68.31) v1(19.06,66.52) v1(19.1,62.11) v1(19.05,61.4) v1(19.08,37.26) v1(19.36,26.39) v1(19.42,25.81) v1(19.59,73.97) v1(19.57,73.43) v1(19.72,49.55) v1(19.74,49.05) v1(19.91,70.48) v1(19.81,28.59) v1(19.85,28.15) v1(19.85,25.99) v1(19.84,25.28) v1(20.01,50.86) v1(20.18,33.78) v1(20.19,24.71) v1(20.45,71.12) v1(20.48,43.76) v1(20.59,69.51) v1(20.66,37.24) v1(21.15,40.85) v1(21.36,23.49) v1(21.7,74.57) v1(21.69,53.6) v1(21.7,23.19) v1(21.78,34.62) v1(21.85,22.23) v1(21.98,79.4) v1(22.06,62.38) v1(22.11,61.87) v1(22.26,18.89) v1(22.63,21.65) v1(22.64,9.54) v1(22.69,2.13) v1(22.91,75.93) v1(22.89,37.67) v1(22.95,75.35) v1(22.99,46.04) v1(23.1,49.58) v1(23.04,9.12) v1(23.21,21.63) v1(23.16,7.71) v1(23.25,73.4) v1(23.3,70.19) v1(23.33,6.87) v1(23.6,60.9) v1(23.75,69.2) v1(23.81,55.12) v1(23.94,79.34) v1(23.95,38.64) v1(23.99,33.76) v1(24.18,78.5) v1(24.12,17.86) v1(24.26,43.65) v1(24.22,19.52) v1(24.42,69.38) v1(24.56,14.09) v1(24.91,6.63) v1(24.99,49.75) v1(25.03,68.42) v1(25.03,49.16) v1(25.22,70.64) v1(25.32,69.33) v1(25.47,34.73) v1(25.7,73.36) v1(25.64,71.4) v1(25.76,18.98) v1(25.79,15.2) v1(25.82,16.87) v1(25.81,6.61) v1(25.99,29.08) v1(26,19.69) v1(26.08,70.9) v1(26.15,70.04) v1(26.12,69.15) v1(26.25,33.63) v1(26.38,68.56) v1(26.47,18.37) v1(26.56,49.92) v1(26.59,36.84) v1(26.52,29.09) v1(26.65,76.13) v1(26.7,73.96) v1(26.64,21.3) v1(26.7,6.6) v1(26.79,17.77) v1(26.98,34.66) v1(27.06,56.24) v1(27.1,2.12) v1(27.16,72.93) v1(27.2,60.76) v1(27.2,36.37) v1(27.29,37.73) v1(27.36,21.28) v1(27.31,6.55) v1(27.49,45.22) v1(27.51,44.74) v1(27.47,42.73) v1(27.41,40.17) v1(27.69,48.76) v1(27.79,18.49) v1(27.93,65.03) v1(28.14,76.09) v1(28.38,19) v1(28.41,54.13) v1(28.47,19.8) v1(28.58,12.46) v1(28.74,63.71) v1(28.88,59.15) v1(28.86,58.68) v1(28.87,58.24) v1(28.81,31.42) v1(28.91,29.52) v1(28.91,28.62) v1(28.92,30.4) v1(29.05,18.97) v1(29.29,48.27) v1(29.29,17.05) v1(29.25,13.55) v1(29.42,55.65) v1(29.43,12.85) v1(29.5,11.31) v1(29.55,62.53) v1(29.58,61.45) v1(29.59,59.85) v1(29.54,58.81) v1(29.78,74.76) v1(29.87,76.19) v1(29.81,60.42) v1(29.82,18.98) v1(29.95,55.89) v1(30.05,59.86) v1(30.1,2.17) v1(30.28,48.92) v1(30.37,28.58) v1(30.42,63.28) v1(30.57,73.55) v1(30.6,56.29) v1(30.56,33.74) v1(30.56,30.52) v1(30.63,57.71) v1(30.75,29.52) v1(30.78,17.48) v1(30.89,43.64) v1(30.91,40.79) v1(30.84,36.73) v1(30.84,31.39) v1(30.85,19.29) v1(30.94,45.12) v1(31.02,46.32) v1(31.3,68.32) v1(31.25,13.41) v1(31.22,12.32) v1(31.38,56.27) v1(31.65,34.66) v1(31.65,33.72) v1(31.72,73.45) v1(31.72,66.71) v1(31.74,32.02) v1(31.72,26.69) v1(31.9,28.78) v1(31.81,11.04) v1(31.94,17.56) v1(32.04,78.21) v1(32.04,67.64) v1(32.08,30.88) v1(32.04,21.94) v1(32.19,34.29) v1(32.23,68.43) v1(32.38,66.94) v1(32.39,56.29) v1(32.5,37.59) v1(32.48,28.77) v1(32.62,48.15) v1(32.71,2.15) v1(32.82,40.97) v1(32.97,32.32) v1(33.08,77.7) v1(33.04,76.37) v1(33.04,69.26) v1(33.03,57.8) v1(33.09,26.79) v1(33.08,13.93) v1(33.14,14.76) v1(33.22,44.26) v1(33.4,16.78) v1(33.43,74.75) v1(33.44,52.5) v1(33.68,57.78) v1(33.71,3.84) v1(33.83,11.96) v1(33.96,52.4) v1(33.96,45.98) v1(34.07,16.91) v1(34.02,14.59) v1(34.27,24.1) v1(34.39,10.66) v1(34.4,7.7) v1(34.54,52.35) v1(34.71,15.38) v1(34.68,13.92) v1(34.72,11.91) v1(34.81,69.84) v1(34.81,65.55) v1(34.81,64.35) v1(34.83,63.17) v1(34.84,14.71) v1(34.85,12.85) v1(34.89,8.06) v1(34.98,15.9) v1(34.95,13.46) v1(35.03,52.38) v1(35.04,18.52) v1(35.09,10.53) v1(35.19,23.5) v1(35.17,16.97) v1(35.16,7.59) v1(35.23,34.71) v1(35.31,71.14) v1(35.38,28.45) v1(35.56,65.06) v1(35.55,63.61) v1(35.64,70.04) v1(35.68,36.61) v1(35.77,75.91) v1(35.73,60.95) v1(35.83,74.73) v1(35.83,57.64) v1(35.92,60.17) v1(35.93,53.31) v1(36.1,71.31) v1(36.16,5.63) v1(36.39,69.62) v1(36.31,65.57) v1(36.31,64.32) v1(36.31,63.17) v1(36.49,60.96) v1(36.53,57.69) v1(36.69,68.63) v1(36.66,60.13) v1(36.72,67.83) v1(36.76,22.01) v1(37,71.11) v1(36.92,38.63) v1(37.18,12.48) v1(37.15,10.87) v1(37.24,60.99) v1(37.22,31.89) v1(37.23,21.35) v1(37.32,68.26) v1(37.43,11.48) v1(37.46,6.66) v1(37.56,56.06) v1(37.68,52.88) v1(37.75,38.59) v1(37.78,31.59) v1(37.81,7.67) v1(37.95,11.23) v1(38.03,37.09) v1(38.28,60.27) v1(38.25,58.96) v1(38.34,57.77) v1(38.5,38.6) v1(38.75,52.89) v1(38.86,32.29) v1(38.88,31.31) v1(38.87,30.37) v1(38.88,12.13) v1(38.98,37.02) v1(39.03,27.9) v1(39.04,7.84) v1(39.25,73.49) v1(39.36,59.53) v1(39.33,58.43) v1(39.51,41.6) v1(39.43,30.35) v1(39.57,40.85) v1(39.53,38.78) v1(39.59,38.18) v1(39.64,12.88) v1(39.82,49.26) v1(39.88,43.29) v1(40.03,40.84) v1(40.08,38.76) v1(40.16,31.89) v1(40.14,30.31) v1(40.24,49.19) v1(40.34,48) v1(40.49,58.9) v1(40.51,48.55) v1(40.42,37.32) v1(40.48,29.81) v1(40.58,54.94) v1(40.6,7.54) v1(40.69,54.33) v1(40.71,53.69) v1(40.66,51.05) v1(40.67,49.91) v1(40.7,42.12) v1(40.63,6.34) v1(40.78,67.62) v1(40.78,67.02) v1(40.78,65.69) v1(40.72,63.84) v1(40.78,63.23) v1(40.78,62.41) v1(40.78,61.66) v1(40.72,61.02) v1(40.73,53.1)
